# Altium PCB Clock-v1.0.PcbDoc (part 1 of 2) (continued)
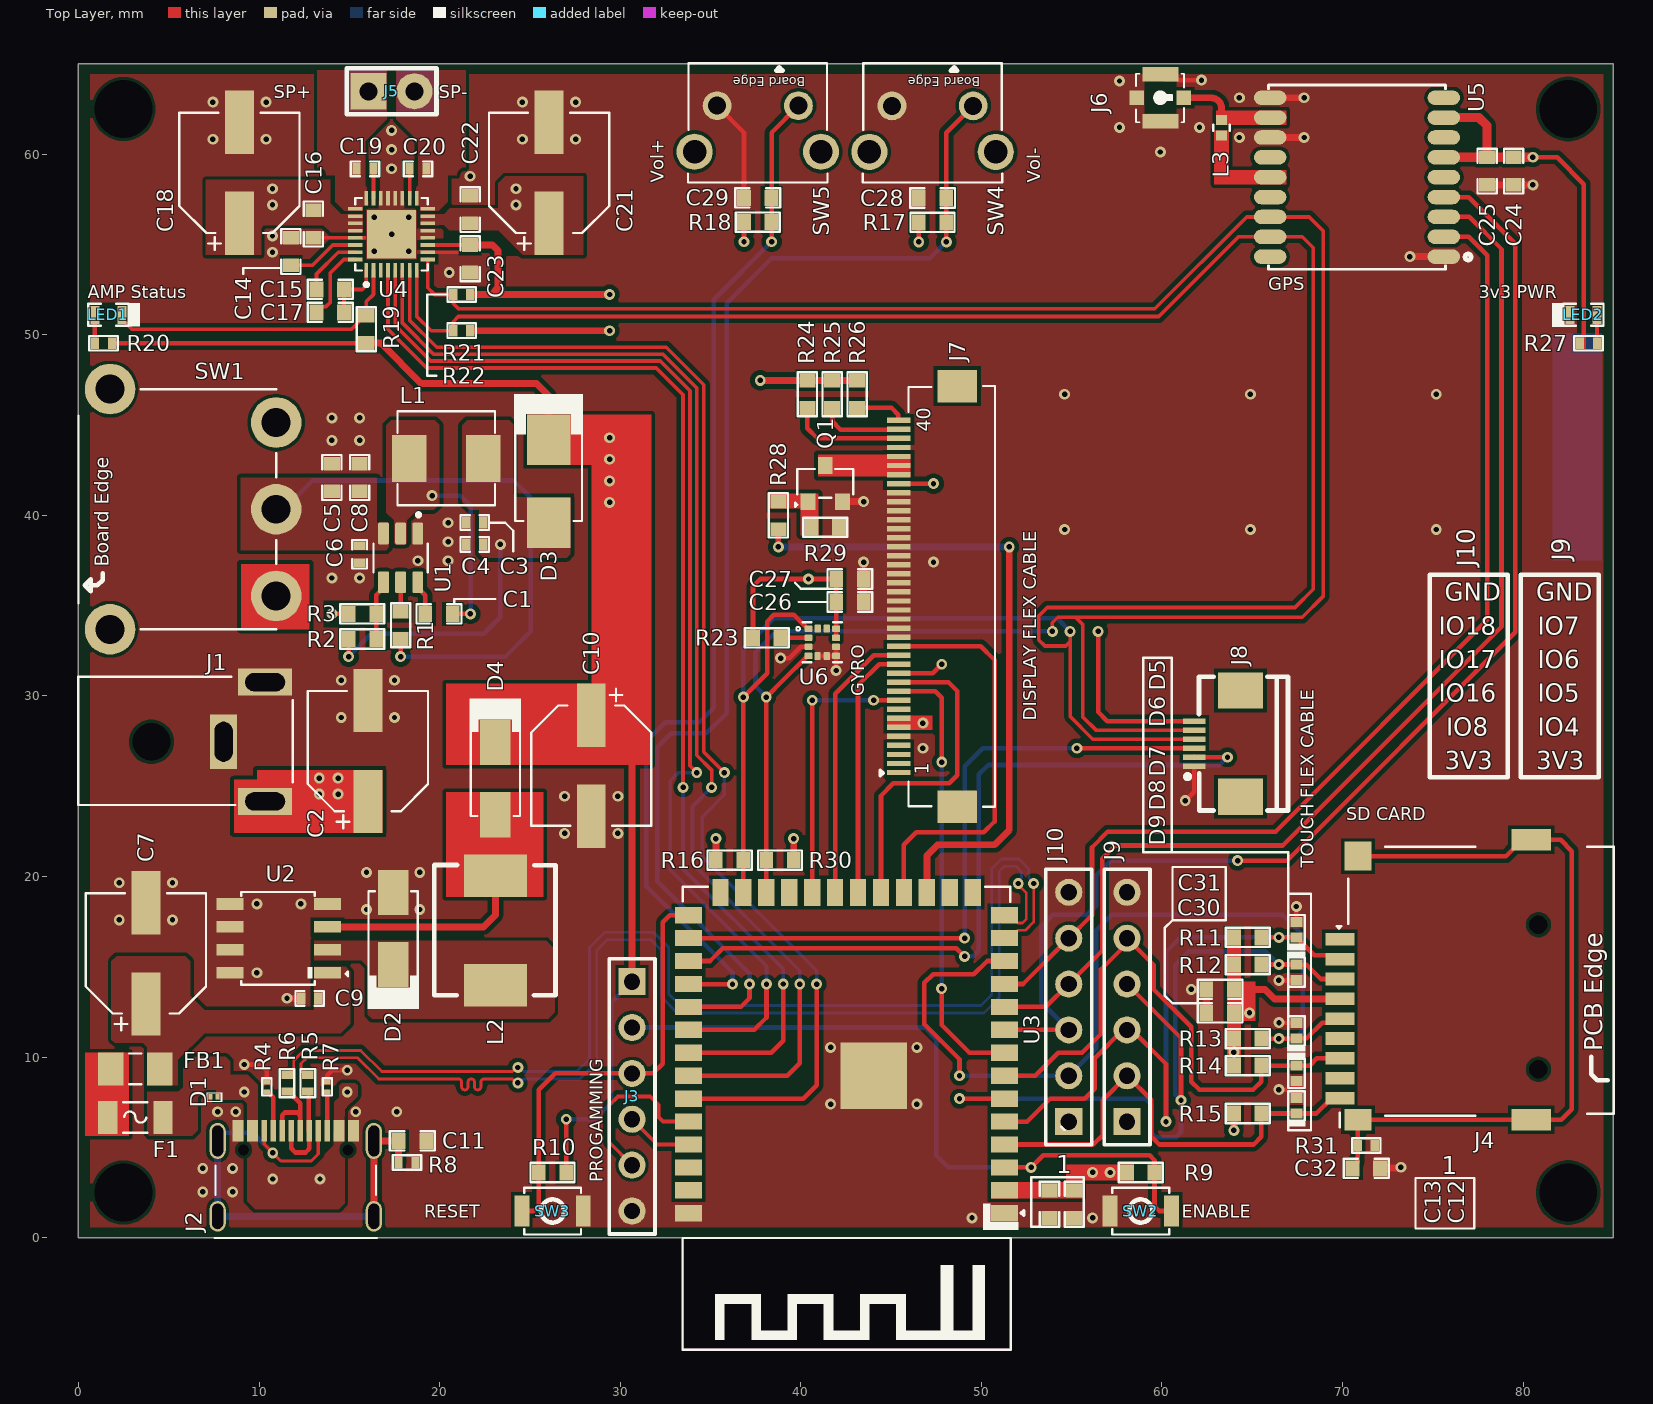
[diagram p0: Top Layer view]
## Part data (continued)
D1: "8.5V 70W 4V 3.3V SOD-962 Electrostatic and Surge Protection (TVS/ESD) ROHS", Manufacturer="Rohm Semiconductor", Package=SOD-962, ComponentLink1Description="LCSC Link", ComponentLink1URL=https://www.lcsc.com/product-detail/Electrostatic-and-Surge-Protection-TVS-ESD_ROHM-Semicon-VS3V3BC1HST15R_C509714.html, Item Type=TVS, LCSC Part Number=VS3V3BC1HST15R, Manufacturer Part Number=VS3V3BC1HST15R
D2 D4: "Schottky Barrier Diode SK36, DO-214AB, 3A/60V", Average Rectified Current=3A, Case/Package=SMC, Forward Voltage=750mV, LCSC Part Number=C16015, Manufacturer="ON Semiconductor / Fairchild", Max Forward Surge Current (Ifsm)=100A, Max Operating Temperature=150°C, Max Repetitive Reverse Voltage (Vrrm)=60V, Max Reverse Current=500uA, Min Operating Temperature=-55°C, Package Quantity=3000, Power Dissipation=2.27W, Supplier Part Number 1=9034425P, Category="Schottky Diodes", ComponentLink1Description=https://datasheet.ciiva.com/4714/ss36-197193-4714610.pdf?src-supplier=Mouser, ComponentLink1URL=https://datasheet.ciiva.com/4714/ss36-197193-4714610.pdf?src-supplier=Mouser, ComponentLink2Description=https://datasheet.ciiva.com/16889/ss36-16889545.pdf?src-supplier=Future+Electronics, ComponentLink2URL=https://datasheet.ciiva.com/16889/ss36-16889545.pdf?src-supplier=Future+Electronics, ComponentLink3Description=https://datasheet.ciiva.com/920/ss34-920433.pdf?src-supplier=Digi-Key, ComponentLink3URL=https://datasheet.ciiva.com/920/ss34-920433.pdf?src-supplier=Digi-Key, ComponentLink4Description=https://datasheet.ciiva.com/920/ss34-920434.pdf?src-supplier=Digi-Key, ComponentLink4URL=https://datasheet.ciiva.com/920/ss34-920434.pdf?src-supplier=Digi-Key, ComponentLink5Description=https://datasheet.ciiva.com/920/ss34-920435.pdf?src-supplier=Digi-Key, ComponentLink5URL=https://datasheet.ciiva.com/920/ss34-920435.pdf?src-supplier=Digi-Key, Current=3A, Current Rating=3A, Element Configuration=Single, Forward Current=3A, Item Type=Diode, Lead Free="Lead Free", Manufacturer Part Number=SS36, Max Reverse Leakage Current=500uA, Max Reverse Voltage (DC)=60V, Max Surge Current=100A, Mount="Surface Mount", Number of Pins=2, Output Current=3A, Packaging="Tape and Reel", Peak Non-Repetitive Surge Current=100A, Polarity=Standard, Pricing 1="100=0.43800, 500=0.34200, 1000=0.27800, 3000=0.25000 (GBP)", Radiation Hardening=No, Reach SVHC Compliant=Yes, RoHS=Yes, RoHS Compliant=Yes, Series=-, Stock 1=100, Supplier 1=Rs, Voltage=60V, Voltage Rating (DC)=60V
D3: library part SS54B-HF, "DIODE SCHOTTKY 5A 40V SMB", LCSC Part Number=C3759253, Manufacturer=Comchip, Supplier Part Number 1=750-SS54B-HF, Manufacturer Part Number=SS54B-HF, Pricing 1="1=0.56000, 10=0.32900, 50=0.32900, 100=0.17100, 1000=0.11900, 10000=0.09000 (USD)", RoHS=No, Stock 1=2862, Supplier 1=Mouser
D5 D6 D7 D8 D9: "DFN1006-2 ESD Protection Devices ROHS", LCSC Part Number=C2875160, Manufacturer="TECH PUBLIC", ComponentLink1Description=LCSC, ComponentLink1URL=https://www.lcsc.com/product-detail/span-style-background-color-ff0-ESD-span-Protection-Devices_TECH-PUBLIC-ESD9X5VU_C2875160.html, Manufacturer Part Number=ESD9X5VU
F1: library part 1206L300SL12AR, "12V 3A 50A 6A 1206 Resettable Fuses ROHS", LCSC Part Number=C18198361, Manufacturer=LUTE, Manufacturer Part Number=Manufacturer, Package=1206, ComponentLink1Description="LCSC Link", ComponentLink1URL=https://www.lcsc.com/product-detail/Resettable-Fuses_LUTE-1206L300SL12AR_C18198361.html, Item Type=FUSE
FB1: library part BLM31PG121SN1L, "FERRITE BEAD 120 OHM 1206 1LN", Case Code (Imperial)=1206, Case Code (Metric)=3216, Current Rating=3.5A, DC Current=3A, DC Resistance (DCR)=20mR, LCSC Part Number=C85841, Manufacturer=Murata, Max Operating Temperature=125°C, Min Operating Temperature=-55°C, Package Quantity=3000, Tolerance=25%, Case/Package=1206, Category="Ferrite Beads and Chips", ComponentLink1Description=https://datasheet.ciiva.com/19460/1845419-19460234.pdf?src-supplier=Jameco, ComponentLink1URL=https://datasheet.ciiva.com/19460/1845419-19460234.pdf?src-supplier=Jameco, ComponentLink2Description=https://datasheet.ciiva.com/1012/l0132s0193blm31p-1012992.pdf?src-supplier=Digi-Key, ComponentLink2URL=https://datasheet.ciiva.com/1012/l0132s0193blm31p-1012992.pdf?src-supplier=Digi-Key, ComponentLink3Description=https://datasheet.ciiva.com/11799/0900766b811b5866-11799444.pdf?src-supplier=RSComponents, ComponentLink3URL=https://datasheet.ciiva.com/11799/0900766b811b5866-11799444.pdf?src-supplier=RSComponents, ComponentLink4Description=https://datasheet.ciiva.com/3081/l0110s0100blm31p-3081665.pdf?src-supplier=Avnet, ComponentLink4URL=https://datasheet.ciiva.com/3081/l0110s0100blm31p-3081665.pdf?src-supplier=Avnet, ComponentLink5Description=https://datasheet.ciiva.com/41449/001172383-da-01-en-drossel-1206-120r-3-2x1-60mm-3000st-41449554.pdf?src-supplier=Conrad, ComponentLink5URL=https://datasheet.ciiva.com/41449/001172383-da-01-en-drossel-1206-120r-3-2x1-60mm-3000st-41449554.pdf?src-supplier=Conrad, ComponentLink6Description=https://datasheet.ciiva.com/29348/442557-da-01-en-chip-drossel-1206-120r-3000ma-3-2x1-60mm-29348014.pdf?src-supplier=Conrad, ComponentLink6URL=https://datasheet.ciiva.com/29348/442557-da-01-en-chip-drossel-1206-120r-3000ma-3-2x1-60mm-29348014.pdf?src-supplier=Conrad, ComponentLink7Description=https://datasheet.ciiva.com/14122/apblm31p-data-e-14122856.pdf?src-supplier=Distrelec, ComponentLink7URL=https://datasheet.ciiva.com/14122/apblm31p-data-e-14122856.pdf?src-supplier=Distrelec, ComponentLink8Description=https://datasheet.ciiva.com/48436/blm31pg121sn1l-eng-tds-48436731.pdf?src-supplier=Distrelec, ComponentLink8URL=https://datasheet.ciiva.com/48436/blm31pg121sn1l-eng-tds-48436731.pdf?src-supplier=Distrelec, ComponentLink9Description=https://datasheet.ciiva.com/1012/l0110s0100blm31p-1012991.pdf?src-supplier=Digi-Key, ComponentLink9URL=https://datasheet.ciiva.com/1012/l0110s0100blm31p-1012991.pdf?src-supplier=Digi-Key, ComponentLink10Description=https://datasheet.ciiva.com/1012/l0110s0100blm31p-1012993.pdf?src-supplier=Digi-Key, ComponentLink10URL=https://datasheet.ciiva.com/1012/l0110s0100blm31p-1012993.pdf?src-supplier=Digi-Key, ComponentLink11Description=https://datasheet.ciiva.com/3081/l0110s0100blm31p-3081666.pdf?src-supplier=Avnet, ComponentLink11URL=https://datasheet.ciiva.com/3081/l0110s0100blm31p-3081666.pdf?src-supplier=Avnet, ComponentLink12Description=https://datasheet.ciiva.com/16390/l0110s0100blm31p-16390857.pdf?src-supplier=Future+Electronics, ComponentLink12URL=https://datasheet.ciiva.com/16390/l0110s0100blm31p-16390857.pdf?src-supplier=Future+Electronics, ComponentLink13Description=https://datasheet.ciiva.com/18093/getdatasheetpartid-152966-18093084.pdf?src-supplier=Verical, ComponentLink13URL=https://datasheet.ciiva.com/18093/getdatasheetpartid-152966-18093084.pdf?src-supplier=Verical, Contact Plating=Tin,Matte, Core Material=Ferrite, Depth=1.6mm, Frequency=100MHz, Height=1.1mm, Impedance=120R, Item Type="Ferrite Bead", Lead Free="Lead Free", Length=3.2mm, Manufacturer Part Number=BLM31PG121SN1L, Material=Steel,Ferrite, Max Current Rating=3.5A, Max DC Current=3A, Military Standard=Not, Number of Lines=1, Number of Pins=2, Packaging="Tape and Reel", Pricing 1="3000=0.11563, 6000=0.10938, 12000=0.10313, 18000=0.09688, 24000=0.09063, 30000=0.08438, 300000=0.07813 (USD)", Radiation Hardening=No, RoHS=Yes, RoHS Compliant=Yes, Shielding=Unshielded, Stock 1=290640, Supplier 1=Avnet, Supplier Part Number 1=BLM31PG121SN1L, Termination=SMD/SMT, Test Frequency=100MHz, Width=1.6mm
J1: "DC Power Receptacle 260℃ Brass -20℃~+70℃ 2.5mm 6mm 2.5A 24V Plugin AC/DC Power Connectors ROHS", LCSC Part Number=C319122, Manufacturer="XKB Connectivity", Package=Plugin, ComponentLink1Description=LCSC, ComponentLink1URL=https://www.lcsc.com/product-detail/AC-DC-Power-Connectors_XKB-Connectivity-DC-0360-2-5_C319122.html, Item Type="DC Jack", Manufacturer Part Number=DC-0360-2.5
J2: "250mA 1 16 Female Type-C SMD USB Connectors ROHS", LCSC Part Number=C165948, Manufacturer="Korean Hroparts Elec", ComponentLink1Description=LCSC, ComponentLink1URL=https://www.lcsc.com/product-detail/USB-Connectors_Korean-Hroparts-Elec-TYPE-C-31-M-12_C165948.html, Item Type="USB Connector", Manufacturer Part Number=TYPE-C-31-M-12
J3 J9 J10: "Straight 1 6 2.54mm Black Brass Plugin,P=2.54mm Pin Headers ROHS", Manufacturer=BOOMELEC, Package=Custom, ComponentLink1Description="New link", ComponentLink1URL=https://www.lcsc.com/product-detail/Pin-Headers_BOOMELE-Boom-Precision-Elec-C37208_C37208.html, Item Type=Header, LCSC Part Number=C37208, Manufacturer Part Number=C37208
J4: "-40℃~+90℃ 1.85mm Gold plating Deck MicroSD card (TF card) High Conductivity Copper Self bomb SMD SD Card Connectors ROHS", LCSC Part Number=C5155564, Manufacturer=G-Switch, Package=SMD, ComponentLink1Description=LCSC, ComponentLink1URL=https://www.lcsc.com/product-detail/SD-Card-Connectors_G-Switch-GT-TF003-H0185-02_C5155564.html, Item Type="MicroSD card", Manufacturer Part Number=GT-TF003-H0185-02
J5: "Wire Connecting Pad", Item Type="THrough Hole Pads", Manufacturer Part Number="2P THrough Hole Pads"
J6: library part IPEX-0001, "The M.2 industry standard,support up to 12 GHz", LCSC Part Number=C2987682, Manufacturer=I-PEX, Package=None, Availability=Unavailable, ComponentLink1Description="LCSC Link", ComponentLink1URL=https://www.lcsc.com/product-detail/RF-Connectors-Coaxial-Connectors_ZIISOR-IPEX-1_C2987682.html, Item Type=Antenna, Manufacturer Part Number=20579-001E, Price=None, SnapEDA_Link=https://www.snapeda.com/parts/20579-001E/I-PEX/view-part/4300957/?ref=snap
J7: "CONN FFC BOTTOM 40POS 0.50MM R/A", Contact Resistance=50mR, Dielectric Withstanding Voltage (AC)=150V, Flammability Rating="UL94 V-0", Insulation Color=Beige, Insulation Resistance=500MR, LCSC Part Number=C202114, Manufacturer=Hirose, Max Operating Temperature=70°C, Min Operating Temperature=-40°C, Rated Current (Signal)=400mA, Supplier Part Number 1=26-FH12-40S-0.5SH(55)CT-ND, Body Breadth=0.079inch, Body Depth=0.22inch, Body Length=0.949inch, Category="FFC / FPC", ComponentLink1Description=https://datasheet.ciiva.com:443/pdfs/VipMasterIC/IC/HIRO/HIRO-S-A0003089604/HIRO-S-A0008599618-1.pdf?src-supplier=IHS+Markit, ComponentLink1URL=https://datasheet.ciiva.com:443/pdfs/VipMasterIC/IC/HIRO/HIRO-S-A0003089604/HIRO-S-A0008599618-1.pdf?src-supplier=IHS+Markit, ComponentLink2Description=https://datasheet.ciiva.com/11745/0900766b80d985fc-11745617.pdf?src-supplier=RSComponents, ComponentLink2URL=https://datasheet.ciiva.com/11745/0900766b80d985fc-11745617.pdf?src-supplier=RSComponents, ComponentLink3Description=https://datasheet.ciiva.com/15176/getdatasheetpartid-432539-15176843.pdf?src-supplier=Verical, ComponentLink3URL=https://datasheet.ciiva.com/15176/getdatasheetpartid-432539-15176843.pdf?src-supplier=Verical, ComponentLink4Description=https://datasheet.ciiva.com/7661/58803-7661389.pdf?src-supplier=Element14, ComponentLink4URL=https://datasheet.ciiva.com/7661/58803-7661389.pdf?src-supplier=Element14, Connector Type="CARD EDGE CONNECTOR", Contact Finish - Mating="NOT SPECIFIED", Contact Finish - Termination="Nickel/Gold (Ni/Au)", Contact Gender=Female, Contact Pattern=RECTANGULAR, Contact Style="BELLOWED TYPE", DIN Conformance=No, Durability=20Cycles, Filter Feature=No, IEC Conformance=No, Insulation Material=Polyamide, Item Type=Connector, JESD-609 Code=e4, Manufacturer Part Number=FH12-40S-0.5SH(55), Mating Contact Pitch=0.02inch, MIL Conformance=No, Mixed Contacts=No, Mounting Option 1="EJECT LEVER", Mounting Option 2=LOCKING, Mounting Style="RIGHT ANGLE", Mounting Technology=Board, Number of Contacts=40, Number Of PCB Rows=1, Number of Rows Loaded=1, Option="General Purpose", PCB Contact Pattern=RECTANGULAR, Pricing 1="1=3.00000, 10=2.72800, 25=2.58400, 50=2.52400, 100=2.40380, 250=2.10332, 500=2.04324, 1000=1.74276 (USD)", Reach SVHC Compliant=Yes, Reference Standard=UL, Reliability=COMMERCIAL, RoHS=Yes, RoHS Compliant=Yes, Stock 1=11247, Supplier 1=Digi-Key, Terminal Pitch=0.5mm, Termination=SMD/SMT
J8: "Clamshell -25℃~+85℃ 6P Bottom Contact Surface Mount，Right Angle 0.5mm SMD,P=0.5mm,Surface Mount，Right Angle FFC/FPC Connectors ROHS", LCSC Part Number=C2856796, Manufacturer=XUNPU, Package=SMD,P=0.5mm, ComponentLink1Description="LCSC Link", ComponentLink1URL=https://www.lcsc.com/product-detail/FFC-FPC-Connectors_XUNPU-FPC-05F-6PH20_C2856796.html, Item Type=FPC, Manufacturer Part Number=FPC-05F-6PH20
L1: library part FXL0530-3R3-M, "5.5A 3.3uH Molding Choke ±20% 6A SMD,5.2x5.4mm Power Inductors ROHS", LCSC Part Number=C475518, Manufacturer="cjiang (Changjiang Microelectronics Tech)", Package=SMD,5.2x5.4mm, ComponentLink1Description="LCSC Link", ComponentLink1URL=https://www.lcsc.com/product-detail/Power-Inductors_cjiang-Changjiang-Microelectronics-Tech-FXL0530-3R3-M_C475518.html, Item Type=inductor, Manufacturer Part Number=FXL0530-3R3-M
L2: library part SMMS0650-470M, "2A 47uH Molding Choke ±20% 2.8A SMD,6.6x7.1mm Power Inductors ROHS", LCSC Part Number=C149588, Manufacturer="SXN(Shun Xiang Nuo Elec)", Package=SMD,6.6x7.1mm, ComponentLink1Description="LCSC Link", ComponentLink1URL=https://www.lcsc.com/product-detail/Power-Inductors_SXN-Shun-Xiang-Nuo-Elec-SMMS0650-470M_C149588.html, Item Type=Inductor, Manufacturer Part Number=SMMS0650-470M
L3: library part LQG15HS47NJ02D, "Inductor RF Chip Unshielded Multi-Layer 47nH 5% 100MHz 8Q-Factor Ceramic 200mA 720mOhm DCR 0402 T/R", LCSC Part Number=C97998, Manufacturer="Murata Electronics", Package=0402, ComponentLink1Description=LCSC, ComponentLink1URL=https://www.lcsc.com/product-detail/Inductors-SMD_Murata-Electronics-LQG15HS47NJ02D_C97998.html, Item Type=Inductor, Manufacturer Part Number=LQG15HS47NJ02D
LED1: library part NCD0603R3, "RED LED 0603 Light Emitting Diodes", LCSC Part Number=C3151730, Manufacturer="Foshan NationStar Optoelectronics", Package=0603, ComponentLink1Description=LCSC, ComponentLink1URL=https://www.lcsc.com/product-detail/Light-Emitting-Diodes-LED_Foshan-NationStar-Optoelectronics-NCD0603R3_C3151730.html, Item Type=LED, Manufacturer Part Number=NCD0603R3
LED2: library part NCD0603B3, "blue 0603 Light Emitting Diodes (LED) ROHS", LCSC Part Number=C158101, Manufacturer="Foshan NationStar Optoelectronics", Package=0603, ComponentLink1Description=LCSC, ComponentLink1URL=https://www.lcsc.com/product-detail/Light-Emitting-Diodes-LED_Foshan-NationStar-Optoelectronics-NCD0603B3_C158101.html, Item Type=LED, Manufacturer Part Number=NCD0603B3
Q1: "SOT-23 MOSFETs ROHS", LCSC Part Number=C5123904, Manufacturer="TECH PUBLIC", Package=SOT-23, ComponentLink1Description=LCSC, ComponentLink1URL=https://www.lcsc.com/product-detail/MOSFETs_TECH-PUBLIC-FDN335N_C5123904.html, Item Type=Mosfet, Manufacturer Part Number=FDN335N
R1 R3 R9 R10 R16 R17 R18 R19 R23 R24 R25 R26 R29 R30: library part RT0603BRD0710KL, "RES SMD 10K OHM 0.1% 1/10W 0603", Case/Package=0603, LCSC Part Number=C95204, Manufacturer=Yageo, Max Operating Temperature=155°C, Min Operating Temperature=-55°C, Package Height=0.45mm, Package Length=1.6mm, Package Style=SMTMeter, Package Width=0.8mm, Power=100mW, Rated Temperature=70°C, Resistor Type="FIXED RESISTOR", Supplier Part Number 1=1991391P, Temperature Coefficient=25ppm/°C, Tolerance=0.1%, Working Voltage=75V, Category="Chip SMD Resistors", ComponentLink1Description=https://datasheet.ciiva.com:443/pdfs/VipMasterIC/IC/YAGO/YAGO-S-A0008510989/YAGO-S-A0008510989-1.pdf?src-supplier=IHS+Markit, ComponentLink1URL=https://datasheet.ciiva.com:443/pdfs/VipMasterIC/IC/YAGO/YAGO-S-A0008510989/YAGO-S-A0008510989-1.pdf?src-supplier=IHS+Markit, ComponentLink2Description=https://datasheet.ciiva.com/5624/pyu-rt-1-to-0-05-rohs-l-4-5624351.pdf?src-supplier=Mouser, ComponentLink2URL=https://datasheet.ciiva.com/5624/pyu-rt-1-to-0-05-rohs-l-4-5624351.pdf?src-supplier=Mouser, ComponentLink3Description=https://datasheet.ciiva.com/29721/pyu-rt-1-to-0-05-rohs-l-4-29721177.pdf?src-supplier=Digi-Key, ComponentLink3URL=https://datasheet.ciiva.com/29721/pyu-rt-1-to-0-05-rohs-l-4-29721177.pdf?src-supplier=Digi-Key, Construction=Chip, Item Type=Resistor, Manufacturer Part Number=RT0603BRD0710KL, Mounting Technology="Surface Mount", Packaging="Tape and Reel", Pins=2, Pricing 1="100=0.29800, 250=0.27800, 500=0.25900, 1000=0.23700 (GBP)", Reach SVHC Compliant=Yes, RoHS=Yes, RoHS Compliant=Yes, Stock 1=20510, Supplier 1=Rs, Technology="THIN FILM", Termination=Wraparound
R2: library part RC0603FR-0733K2L, "RES 33.2K OHM 1% 1/10W 0603", Case Code (Imperial)=0603, Case Code (Metric)=1608, LCSC Part Number=C185338, Manufacturer=Yageo, Max Operating Temperature=155°C, Max Power Dissipation=100mW, Min Operating Temperature=-55°C, Resistance=33.2kR, Resistor Type="Thick Film", Supplier Part Number 1=311-33.2KHRCT-ND, Temperature Coefficient=100ppm/°C, Tolerance=1%, Voltage Rating=50V, Case/Package=0603, Category="Chip SMD Resistors", ComponentLink1Description=https://datasheet.ciiva.com/11808/0900766b80f96399-11808316.pdf?src-supplier=RSComponents, ComponentLink1URL=https://datasheet.ciiva.com/11808/0900766b80f96399-11808316.pdf?src-supplier=RSComponents, Construction=Rectangular, Depth=0.8mm, Features="Moisture Resistant", Height=0.45mm, Lead Free="Lead Free", Length=1.6mm, Manufacturer Part Number=RC0603FR-0733K2L, Military Standard=Not, Mount="Surface Mount", Number of Terminations=2, Packaging="Tape and Reel", Power Rating=100mW, Pricing 1="1=0.10000, 10=0.02300, 100=0.00930, 1000=0.00417, 2500=0.00362 (USD)", RoHS=Yes, RoHS Compliant=Yes, Series=RC, Size Code=0603, Stock 1=1293262, Supplier 1=Digi-Key, Technology="THICK FILM", Termination=SMD/SMT, Voltage Rating (DC)=50V
R4 R5: library part RC0402FR-070RL, "RES 0 OHM JUMPER 1/16W 0402", Case Code (Imperial)=0402, Case Code (Metric)=1005, LCSC Part Number=C106231, Manufacturer=Yageo, Max Operating Temperature=155°C, Max Power Dissipation=63mW, Min Operating Temperature=-55°C, Power Rating=62.5mW, Resistor Type="Thick Film", Supplier Part Number 1=603-RC0402FR-070RL, Temperature Coefficient=200ppm/°C, Tolerance=1%, Voltage Rating=50V, Case/Package=0402, Category="Chip SMD Resistors", ComponentLink1Description=https://datasheet.ciiva.com/8896/pyu-rc0402-51-rohs-l-6-8896149.pdf?src-supplier=Avnet, ComponentLink1URL=https://datasheet.ciiva.com/8896/pyu-rc0402-51-rohs-l-6-8896149.pdf?src-supplier=Avnet, ComponentLink2Description=https://datasheet.ciiva.com/16790/pyu-rc0402-51-rohs-l-6-r-16790444.pdf?src-supplier=Future+Electronics, ComponentLink2URL=https://datasheet.ciiva.com/16790/pyu-rc0402-51-rohs-l-6-r-16790444.pdf?src-supplier=Future+Electronics, Contact Plating=Tin,Matte, Features="Moisture Resistant", Height=0.35mm, Lead Free="Lead Free", Length=1mm, Manufacturer Part Number=RC0402FR-070RL, Mount="Surface Mount", Number of Terminations=2, Packaging="Tape and Reel", Pricing 1="1=0.10000, 10=0.01400, 50=0.01400, 100=0.00600, 1000=0.00300, 5000=0.00200, 10000=0.00100 (USD)", Radiation Hardening=No, Resistance=0R, RoHS=Yes, RoHS Compliant=Yes, Series=RC, Size Code=0402, Stock 1=8556842, Supplier 1=Mouser, Termination=SMD/SMT, Width=0.5mm
R6 R7: library part RC0201FR-075K1L, "RES 5.1K OHM 1% 1/20W 0201", Case Code (Imperial)=0201, Case Code (Metric)=0603, LCSC Part Number=C274341, Manufacturer=Yageo, Max Operating Temperature=125°C, Max Power Dissipation=50mW, Min Operating Temperature=-55°C, Supplier Part Number=9072847, Temperature Coefficient=200ppm/°C, Tolerance=1%, Voltage Rating=25V, Case/Package=0201, Category="Chip SMD Resistors", ComponentLink1Description=http://www.mouser.com/ds/2/447/RC0201-559633.pdf?src-supplier=Mouser, ComponentLink1URL=http://www.mouser.com/ds/2/447/RC0201-559633.pdf?src-supplier=Mouser, ComponentLink2Description=https://datasheet.octopart.com/RC0201FR-075K1L-Yageo-datasheet-164759695.pdf?src-supplier=Future+Electronics, ComponentLink2URL=https://datasheet.octopart.com/RC0201FR-075K1L-Yageo-datasheet-164759695.pdf?src-supplier=Future+Electronics, ComponentLink3Description=http://www.yageo.com/documents/recent/PYu-RC_Group_51_RoHS_L_10.pdf?src-supplier=Digi-Key, ComponentLink3URL=http://www.yageo.com/documents/recent/PYu-RC_Group_51_RoHS_L_10.pdf?src-supplier=Digi-Key, Features="Moisture Resistant", Height=0.23mm, Item Type=Resistor, Lead Free="Lead Free", Length=0.6mm, Manufacturer Part Number=RC0201FR-075K1L, Number of Terminations=2, Packaging="Tape and Reel", Power Rating=50mW, Pricing="10000=0.0014, 40000=0.0013, 200000=0.0013, 400000=0.0012, 1250000=0.0011 (USD)", RoHS=Yes, RoHS Compliant=Yes, Series=RC, Stock=280000, Supplier="Future Electronics", Termination=SMD/SMT, Width=0.3mm
R8 R31: library part AF0402JR-071ML, "RES SMD 1M OHM 5% 1/16W 0402", Case/Package=0402, LCSC Part Number=C144054, Manufacturer=Yageo, Max Operating Temperature=155°C, Max Power Dissipation=63mW, Min Operating Temperature=-55°C, Resistance=1MR, Resistor Type="Thick Film", Supplier Part Number 1=AF0402JR-071ML-ND, Temperature Coefficient=100ppm/°C, Tolerance=5%, ComponentLink1Description=https://www.yageo.com/upload/media/product/productsearch/datasheet/rchip/PYu-AF_51_RoHS_L_6.pdf?src-supplier=Digi-Key, ComponentLink1URL=https://www.yageo.com/upload/media/product/productsearch/datasheet/rchip/PYu-AF_51_RoHS_L_6.pdf?src-supplier=Digi-Key, Features="Moisture Resistant,Anti-Sulfur", Height=0.015inch, Item Type=Resistor, Length=0.039inch, Manufacturer Part Number=AF0402JR-071ML, Number of Terminations=2, Packaging="Tape and Reel", Pricing 1="10000=0.00408 (USD)", RoHS Compliant=Yes, Stock 1=0, Supplier 1=Digi-Key, Width=0.02inch
R11 R12 R13 R14 R15 R28: library part 0603WAF3301T5E, "100mW Thick Film Resistors 75V ±100ppm/℃ ±1% 3.3kΩ 0603 Chip Resistor - Surface Mount ROHS", LCSC Part Number=C22978, Manufacturer="UNI-ROYAL(Uniroyal Elec)", Package=0603, ComponentLink1Description="LSCS Link", ComponentLink1URL=https://www.lcsc.com/product-detail/Chip-Resistor-Surface-Mount_UNI-ROYAL-Uniroyal-Elec-0603WAF3301T5E_C22978.html, Item Type=Resistor, Manufacturer Part Number=0603WAF3301T5E
R20 R27: library part FRC0402F2000TS, "62.5mW Thick Film Resistors 50V ±100ppm/℃ ±1% 200Ω 0402 Chip Resistor - Surface Mount ROHS", LCSC Part Number=C2909333, Manufacturer=FOJAN, Package=0402, ComponentLink1Description="LCSC Link", ComponentLink1URL=https://www.lcsc.com/product-detail/Chip-Resistor-Surface-Mount_FOJAN-FRC0402F2000TS_C2909333.html, Item Type=Resistor, Manufacturer Part Number=FRC0402F2000TS
R21 R22: library part 0402WGF2401TCE, "62.5mW Thick Film Resistors 50V ±100ppm/℃ ±1% 2.4kΩ 0402 Chip Resistor - Surface Mount ROHS", LCSC Part Number=C25882, Manufacturer="UNI ROYAL", Package=0402, ComponentLink1Description="LCSC Link", ComponentLink1URL=https://www.lcsc.com/product-detail/Chip-Resistor-Surface-Mount_UNI-ROYAL-Uniroyal-Elec-0402WGF2401TCE_C25882.html, Item Type=Resistor, Manufacturer Part Number=0402WGF2401TCE
SW1: library part SS-12D11L5, "Lying 3A SPDT 125V 6.3mm 13.5mm 125V 6.6mm 3A PCPin 10000 Rectangular columnar -40℃~+85℃ Black Plugin Slide Switches ROHS", LCSC Part Number=C319010, Manufacturer="XKB Connectivity", Package=Plugin, ComponentLink1Description="LCSC Part Number", ComponentLink1URL=https://www.lcsc.com/product-detail/Slide-Switches_XKB-Connectivity-SS-12D11L5_C319010.html, Item Type=Switch, Manufacturer Part Number=SS-12D11L5
SW2 SW3: "SWITCH TACTILE SPST-NO 0.05A 12V", Contact Current Rating=50mA, Contact Resistance=100mR, Insulation Resistance=100MR, LCSC Part Number=C231329, Manufacturer=Omron, Max Operating Temperature=70°C, Max Voltage Rating (DC)=12V, Min Operating Temperature=-25°C, Operating Force=1.5N, Package Quantity=1, Ratings="Dust Proof,IP40", Supplier Part Number 1=SW1020DKR-ND, Actuator Length=0.4mm, Actuator Type=Standard, ComponentLink1Description=http://www.farnell.com/datasheets/60838.pdf?src-supplier=Farnell, ComponentLink1URL=http://www.farnell.com/datasheets/60838.pdf?src-supplier=Farnell, ComponentLink2Description=http://www.farnell.com/datasheets/60838.pdf?src-supplier=Element14, ComponentLink2URL=http://www.farnell.com/datasheets/60838.pdf?src-supplier=Element14, ComponentLink3Description=https://omronfs.omron.com/en_US/ecb/products/pdf/en-b3u.pdf?src-supplier=Digi-Key, ComponentLink3URL=https://omronfs.omron.com/en_US/ecb/products/pdf/en-b3u.pdf?src-supplier=Digi-Key, ComponentLink4Description=http://www.omron.com/ecb/products/pdf/en-b3u.pdf?src-supplier=Digi-Key, ComponentLink4URL=http://www.omron.com/ecb/products/pdf/en-b3u.pdf?src-supplier=Digi-Key, ComponentLink5Description=https://www.distrelec.biz/Web/Downloads/he/et/B3U_eng_datasheet.pdf?mime=application%2Fpdf&src-supplier=Distrelec, ComponentLink5URL=https://www.distrelec.biz/Web/Downloads/he/et/B3U_eng_datasheet.pdf?mime=application%2Fpdf&src-supplier=Distrelec, ComponentLink6Description=http://www.onlinecomponents.com/productFiles/mf-OM/en-b3u.pdf?src-supplier=Onlinecomponents.com, ComponentLink6URL=http://www.onlinecomponents.com/productFiles/mf-OM/en-b3u.pdf?src-supplier=Onlinecomponents.com, ComponentLink7Description=https://www.verical.com/server-webapp/html/getDatasheet?partID=552554&src-supplier=Verical, ComponentLink7URL=https://www.verical.com/server-webapp/html/getDatasheet?partID=552554&src-supplier=Verical, ComponentLink8Description=http://www.farnell.com/datasheets/1685550.pdf?src-supplier=Element14, ComponentLink8URL=http://www.farnell.com/datasheets/1685550.pdf?src-supplier=Element14, ComponentLink9Description=http://www.farnell.com/datasheets/2610940.pdf?src-supplier=Farnell, ComponentLink9URL=http://www.farnell.com/datasheets/2610940.pdf?src-supplier=Farnell, ComponentLink10Description=https://www.alliedelec.com/m/d/4c8a9ef82804fc3c241a13c1e298fd73.pdf?src-supplier=Allied+Electronics, ComponentLink10URL=https://www.alliedelec.com/m/d/4c8a9ef82804fc3c241a13c1e298fd73.pdf?src-supplier=Allied+Electronics, Contact Material=Silver, Current Rating=50mA, Depth=2.5mm, Electrical Life=200000Cycles, Height=1.2mm, Illumination Type=Non-Illuminated,Illuminated, Item Type=Switch, Lead Free="Lead Free", Length=4mm, Manufacturer Part Number=B3U-1000P, Max Current Rating=50mA, Mechanical Life=200000Cycles, Mount="Surface Mount", Orientation=Straight, Packaging="Tape and Reel", Pricing 1="1=1, 10=0.961, 25=0.9064, 50=0.7976, 100=0.7251, 250=0.68888, 500=0.67074, 1000=0.52571 (USD)", REACH SVHC=Unknown, Stock 1=116454, Supplier 1=Digi-Key, Switch Function=Off-Mom, Switch Travel=0.15mm, Termination=SMD/SMT, Throw Configuration=SPST, Voltage Rating (DC)=12V, Weight=0.000776oz, Width=3mm
SW4 SW5: library part "PTS645VK83-2 LFS", "SWITCH TACTILE SPST-NO 0.05A 12V", Color=Black, Current Rating=50mA, LCSC Part Number=C2798927, Manufacturer="ITT C&K", Manufacturer Part Number=PTS645VK83-2LFS, Max Operating Temperature=60°C, Min Operating Temperature=-20°C, Operating Force=260gf, Package Quantity=1000, Supplier Part Number 1=611-PTS645VK832, Voltage Rating (DC)=12V, Actuator Material=Nylon,Polyamide,PA66, Actuator Type=Standard, Category="Tactile Switches", ComponentLink1Description=http://components.arrow.com/part/dataview/58497163S587771N9444?src-supplier=Arrow+Electronics, ComponentLink1URL=http://components.arrow.com/part/dataview/58497163S587771N9444?src-supplier=Arrow+Electronics, Contact Plating=Silver, Depth=12.3mm, Illumination Type=Non-Illuminated, Lead Free="Lead Free", Length=8.5mm, Max Current Rating=50mA, Mechanical Life=100000Cycles, Mount="Through Hole", Orientation="Right Angle", Packaging=Bulk, Pricing 1="1=0.29000, 10=0.27900, 50=0.27400, 100=0.25800, 1000=0.17200, 10000=0.16500 (USD)", RoHS=Yes, RoHS Compliant=Yes, Series=PTS645, Stock 1=15223, Supplier 1=Mouser, Switch Function=Off-Mom, Termination="PC Pin", Throw Configuration=SPST
U1: "4.5V to 17V, 5A, Synchronous Step-Down Voltage Regulator in SOT23 6-SOT-23-THIN -40 to 125", LCSC Part Number=C327676, Manufacturer="Texas Instruments", Package="SOT-23-THN-6 Texas Instruments", Availability=Warning, ComponentLink1Description="LCSC Link", ComponentLink1URL=https://www.lcsc.com/product-detail/DC-DC-Converters_Texas-Instruments-TPS565201DDCR_C327676.html, DigiKey-Purchase-URL=https://snapeda.com/shop?store=DigiKey&id=2751914, Item Type=Buck, Manufacturer Part Number=TPS565201DDCR, Mouser-Purchase-URL=https://snapeda.com/shop?store=Mouser&id=2751914, Price=None, SnapEDA_Link=https://www.snapeda.com/parts/TPS565201DDCR/Texas%20Instruments/view-part/2751914/?ref=snap, Texas_Instruments-Purchase-URL=https://snapeda.com/shop?store=Texas+Instruments&id=2751914
U2: "IC REG BUCK 3.3V 2A 8SOP", LCSC Part Number=C151823, Manufacturer=Diodes, Supplier Part Number=AP1509-33SGDICT-ND, Category="Voltage Regulators - Switching", ComponentLink1Description=https://datasheet.ciiva.com/2024/ap1509-2024112.pdf?src-supplier=Digi-Key, ComponentLink1URL=https://datasheet.ciiva.com/2024/ap1509-2024112.pdf?src-supplier=Digi-Key, ComponentLink2Description=https://datasheet.ciiva.com/22696/608784-22696879.pdf?src-supplier=Element14, ComponentLink2URL=https://datasheet.ciiva.com/22696/608784-22696879.pdf?src-supplier=Element14, ComponentLink3Description=https://datasheet.ciiva.com/3220/ap1509-3220415.pdf?src-supplier=Avnet, ComponentLink3URL=https://datasheet.ciiva.com/3220/ap1509-3220415.pdf?src-supplier=Avnet, ComponentLink4Description=https://datasheet.ciiva.com/3222/ap1509-3222047.pdf?src-supplier=Avnet, ComponentLink4URL=https://datasheet.ciiva.com/3222/ap1509-3222047.pdf?src-supplier=Avnet, ComponentLink5Description=https://datasheet.ciiva.com/1161/608784-1161659.pdf?src-supplier=Element14, ComponentLink5URL=https://datasheet.ciiva.com/1161/608784-1161659.pdf?src-supplier=Element14, Item Type=IC, Manufacturer Part Number=AP1509-33SG-13, Pricing="1=1.6, 10=1.43, 25=1.3576, 100=1.115, 250=1.04232, 500=0.92112, 1000=0.7272 (USD)", RoHS=Yes, Stock=7160, Supplier=Digi-Key
U3: "ESP32-S3 chip 2.4GHz SMD,18x25.5mm WiFi Modules ROHS", LCSC Part Number=C2913198, Manufacturer="Expressif System", Manufacturer Part Number=ESP32-S3-WROOM-1-N8, Package=SMD,18x25.5mm, ComponentLink1Description=LCSC, ComponentLink1URL=https://www.lcsc.com/product-detail/WiFi-Modules_Espressif-Systems-ESP32-S3-WROOM-1-N8_C2913198.html, Item Type=IC
U4: "20Wx1@4Ω VQFN-32(4x4) Audio Power OpAmps ROHS", LCSC Part Number=C5214961, Manufacturer="Texas Instruments", Package=VQFN-32(4x4), ComponentLink1Description="LCSC Link", ComponentLink1URL=https://www.lcsc.com/product-detail/Audio-Power-OpAmps_Texas-Instruments-TAS5720MRSMR_C5214961.html, Item Type="Audio Amp", Manufacturer Part Number=TAS5720MRSMR
U5: "SMD,9.7x10.1mm Satellite Positioning Modules ROHS", LCSC Part Number=C90770, Manufacturer=ZHONGKEWEI, Package=SMD,9.7x10.1mm, ComponentLink1Description="LCSC Link", ComponentLink1URL=https://www.lcsc.com/product-detail/Satellite-Positioning-Modules_ZHONGKEWEI-ATGM336H-5N31_C90770.html, Item Type=GPS, Manufacturer Part Number=ATGM336H-5N31
U6: "Accelerometer X, Y, Z Axis Â±2g, 4g, 8g, 16g 0.5Hz ~ 672Hz 12-LGA (2x2)", LCSC Part Number=C110926, Manufacturer=STMicroelectronics, Package="LGA-12 STMicroelectronics", Availability="In Stock", Check_prices=https://www.snapeda.com/parts/LIS2DH12TR/STMicroelectronics/view-part/?ref=eda, ComponentLink1Description="LCSC Link", ComponentLink1URL=https://www.lcsc.com/product-detail/Attitude-Sensor-Gyroscope_STMicroelectronics-LIS2DH12TR_C110926.html, Item Type=Gyro, Manufacturer Part Number=LIS2DH12TR, Price=None, Purchase-URL=https://pricing.snapeda.com/search/part/LIS2DH12TR/?ref=eda, SnapEDA_Link=https://www.snapeda.com/parts/LIS2DH12TR/STMicroelectronics/view-part/?ref=snap

## Free pads (board coordinates)
  rect 0x0 hole 3.2 unplated: MH(2.5,2.5) MH(2.5,62.5) MH(82.5,2.5) MH(82.5,62.5)

## Via types
v1: diameter 0.6, hole 0.3, Top Layer to Bottom Layer, 177 vias

## Nets (pads, with @x,y where several pads share a name; then routed paths per layer and width w, separated by ;. In a path a pad name is that pad's centre, name@x,y a point inside that pad or via, vN(x,y) a via of type N, cw(c..) or ccw(c..) an arc to the next point about the centre after c; other vN are vias at no path point)
+3V3: C10.1 C12.2 C13.2 C23.2 C24.2 C25.2 C26.1 C27.1 C30.2 C31.2 D3.2 D4.1 J3.1 J4.4 J7.6 J7.7 J7.12 J7.33 J8.6 J9.1 J10.1 R9.2 R10.2 R11.1 R12.1 R13.1 R14.1 R15.1 R16.1 R17.2 R18.2 R19.1 R20.1 R21.1 R22.1 R23.2 R24.2 R25.2 R26.2 R27.2 R30.1 U3.2 U4.11 U5.6 U5.8 U6.9 U6.10 | length 142.6
  Top Layer w0.203: U4.11@19.339,54.97 C23.2@21.692,54.97
  Top Layer w0.254: R20.1@1.853,49.53 R19.1@15.93,49.53 ; R10.2@27.016,3.612 v1(27.016,6.558) ; v1(36.856,55.148) R18.2@36.856,56.233 ; R23.2@37.356,33.22 37.356,36.078 37.752,36.474 v1(40.427,36.474) C27.1@41.957,36.474 C26.1@41.957,35.201 U6.10@41.957,33.72 U6.9@41.957,33.22 ; J7.12@45.416,31.259 47.303,31.259 v1(47.803,31.759) ; J7.33@45.416,41.759 v1(47.35,41.759) ; v1(46.536,55.143) R17.2@46.536,56.228 ; v1(56.464,33.572) 56.464,29.109 56.965,28.608 J8.6@61.78,28.608 ; v1(80.543,59.826) 81.879,59.826 83.363,58.342 83.363,49.834 83.148,49.619 R27.2@83.148,49.53
  Top Layer w0.381: R19.1@15.939,49.538 16.748,49.538 18.982,47.304 25.375,47.304 26.035,46.644 D3.2@26.035,44.194 ; R21.1@21.692,50.224 v1(29.413,50.224) ; R22.1@21.692,52.231 22.86,52.231 ; C23.2@21.692,54.97 22.92,54.97 23.236,54.654 23.236,52.607 22.86,52.231 ; v1(29.413,52.231) 22.86,52.231 ; J3.1@30.658,14.178 30.658,29.947 30.709,29.997 ; R16.1@35.296,20.909 v1(35.296,22.103) ; v1(37.752,47.473) R24.2@40.361,47.473 R25.2@41.732,47.473 R26.2@43.116,47.473 ; v1(39.603,22.103) 39.609,22.098 39.609,20.915 R30.1@39.614,20.909 ; v1(63.983,5.944) R15.1@63.983,6.878 ; C31.2@63.983,13.749 65.704,13.749 66.226,13.228 J4.4@69.848,13.228
  Top Layer w0.508: U5.6@75.612,59.826 C25.2@78.003,59.826 ; U5.8@75.612,62.026 77.559,62.026 78.003,61.581 C25.2@78.003,59.826 ; v1(80.543,59.826) C24.2@79.477,59.826 C25.2@78.003,59.826
  Bottom Layer w0.254: v1(27.016,6.558) 28.587,6.558 29.489,7.461 29.489,13.01 J3.1@30.658,14.178
  other v1: 56.159,3.618 57.126,3.612 63.983,10.278 64.846,12.446 46.761,28.499 29.413,40.716 29.413,41.91 29.413,43.104 29.413,44.298
+5V: C7.1 C9.2 FB1.2 U2.1
+12V: C5.2 C6.2 C8.2 C16.1 C18.1 C21.1 C22.1 R1.2 SW1.2 U1.3 U4.14 U4.15 U4.26 U4.27 U4.28 | length 31.3
  Top Layer w0.254: v1(17.841,32.182) R1.2@17.841,33.152
  Bottom Layer w0.254: SW1.2@10.95,40.34 11.376,40.34 12.968,41.932 24.091,41.932 25.044,40.978 25.044,33.579 23.647,32.182 v1(17.841,32.182)
  other v1: 10.744,57.19 24.232,57.19 10.744,58.09 24.232,58.09
Backlight: R28.1 U3.17 | length 36.6
  Top Layer w0.305: v1(38.76,38.252) R28.1@38.76,39.235
  Top Layer w0.381: U3.17@46.98,19.111 46.98,21.172 47.566,21.758 50.714,21.758 51.546,22.59 v1(51.546,38.252)
  Bottom Layer w0.381: v1(38.76,38.252) v1(51.546,38.252)
BCLK: U3.34 U4.6 | length 67.8
  Top Layer w0.203: U4.6@17.939,53.57 17.939,50.653 19.667,48.925 32.37,48.925 34.242,47.053 34.242,26.715 35.062,25.895 v1(35.062,24.937)
  Top Layer w0.254: U3.34@33.79,8.971 39.248,8.971 39.939,9.662 v1(39.939,14.046)
  Bottom Layer w0.203: v1(35.062,24.937) 34.004,23.879 34.004,20.72 39.939,14.785 v1(39.939,14.046)
CD_DET: D9.1 J4.cd J9.2 R15.2 U3.4 | length 25.8
  Top Layer w0.254: U3.4@51.29,5.161 56.202,5.161 56.716,5.676 56.716,7.618 J9.2@58.064,8.966 59.401,7.629 59.401,5.62 59.86,5.161 65.08,5.161 65.507,5.588 R15.2@65.507,6.878 D9.1@67.444,6.878 68.548,6.878 69.398,7.728 J4.cd@69.848,7.728
CS: D5.1 J4.2 J9.3 R11.2 U3.5 | length 36.8
  Top Layer w0.254: U3.5@51.29,6.431 51.295,6.426 52.527,6.426 53.802,7.701 55.716,7.701 56.27,8.255 56.27,9.936 57.84,11.506 58.336,11.506 60.221,9.621 v1(60.221,6.431) ; R11.2@65.507,16.628 v1(66.475,16.628) D5.1@67.444,16.628 67.499,16.628 67.647,16.48 67.647,16.425 68.427,15.645 69.631,15.645 J4.2@69.848,15.428
  Bottom Layer w0.254: v1(60.221,6.431) 60.221,15.82 61.029,16.628 v1(66.475,16.628)
DC: J7.10 U3.8 | length 24.8
  Top Layer w0.254: J7.10@45.416,30.259 47.453,30.259 47.803,29.909 v1(47.803,26.338) ; v1(47.8,13.797) 47.8,11.78 49.339,10.241 U3.8@51.29,10.241
  Bottom Layer w0.254: v1(47.8,13.797) v1@47.8,26.338
EN: J3.2 R9.1 SW2.2 U3.3 | length 41.4
  Top Layer w0.254: U3.3@51.29,3.891 v1(52.756,3.891) 53.436,4.572 59.313,4.572 59.588,4.297 59.588,1.75 59.86,1.478 SW2.2@60.526,1.478
  Bottom Layer w0.254: J3.2@30.658,11.638 46.855,11.638 47.499,10.995 47.499,4.551 48.158,3.891 v1(52.756,3.891)
FAULTZ: LED1.2 R19.2 U4.2 | length 17
  Top Layer w0.203: LED1.2@2.413,51.105 2.413,50.855 2.968,50.3 15.122,50.3 15.596,50.774 15.596,50.783 15.875,51.062 R19.2@15.939,51.062 15.939,51.836 16.339,52.236 U4.2@16.339,53.57
FB: D4.2 L2.2 U2.3 | length 11.7
  Top Layer w0.381: U2.3@13.8,17.213 22.432,17.213 23.089,17.87 L2.2@23.089,20.041
GND: C2.2 C3.1 C4.1 C5.1 C6.1 C7.2 C8.1 C9.1 C10.2 C11.1 C12.1 C13.1 C14.2 C16.2 C18.2 C21.2 C22.2 C23.1 C24.1 C25.1 C26.2 C27.2 C28.1 C29.1 C30.1 C31.1 C32.2 D1.2 D2.2 D5.2 D6.2 D7.2 D8.2 D9.2 J1.2 J1.3 J2.A1/B12 J2.B1/A12 J3.6 J6.1 J6.2 J6.3 J7.5 J7.16 J7.17 J7.18 J7.19 J7.20 J7.21 J7.22 J7.23 J7.24 J7.25 J7.26 J7.27 J7.28 J7.29 J7.30 J7.31 J7.32 J7.37 J8.1 J9.6 J10.6 LED2.2 Q1.2 R3.1 R6.1 R7.1 R8.1 R29.1 R31.2 SW2.1 SW3.1 SW4.2 SW5.2 U1.1 U2.4 U2.5 U2.6 U2.7 U2.8 U3.1 U3.40 U3.41 U4.10 U4.12 U4.13 U4.19 U4.20 U4.21 U4.22 U4.29 U4.33 U5.1 U5.10 U5.12 U6.3 U6.5 U6.6 U6.7 U6.8 | length 38.6
  Top Layer w0.254: v1(9.184,9.591) 10.083,9.591 10.434,9.24 R6.1@10.434,8.627 ; R7.1@13.784,8.627 13.784,9.002 14.054,9.271 v1(14.884,9.271) ; v1(14.034,34.549) R3.1@14.961,34.549 ; SW5.2@35.368,62.684 36.856,61.196 C29.1@36.856,57.579 ; v1(38.88,32.097) 39.369,32.097 39.991,32.72 U6.3@40.427,32.72 ; U6.5@40.935,32.212 41.95,32.212 U6.7@41.957,32.22 ; v1(41.957,31.409) U6.7@41.957,32.22 ; U6.8@41.957,32.72 U6.7@41.957,32.22 ; J6.3@59.914,64.426 60.187,64.153 60.888,64.153 60.936,64.105 v1(62.189,64.105) ; v1(61.29,24.206) 61.78,24.696 J8.1@61.78,26.108 ; v1(66.475,8.204) 67.355,8.204 67.556,8.003 ; v1(66.482,11.913) 66.499,11.896 67.426,11.896 D7.2@67.444,11.878 ; v1@66.482,14.242 67.408,14.242 D6.2@67.444,14.277 ; D5.2@67.444,17.478 v1(67.444,18.339)
  Top Layer w0.381: v1(11.55,13.259) C9.1@12.332,13.259 ; Q1.2@42.301,40.759 v1(43.481,40.759) ; C26.2@43.481,35.201 v1(43.481,37.409) ; v1(61.62,13.749) C31.1@62.459,13.749 C30.1@62.459,12.454 ; U5.12@65.989,60.926 v1(67.869,60.926) ; U5.10@65.989,63.126 v1(67.869,63.126) ; C32.2@72.04,3.898 C32.2@72.071,3.867 ; C32.2@72.08,3.835 72.08,3.858 C32.2@72.071,3.867 ; v1(73.228,3.899) 73.196,3.867 C32.2@72.071,3.867 ; v1(73.732,54.326) U5.1@75.612,54.326 ; C25.1@78.003,58.302 C24.1@79.477,58.302 v1(80.543,58.302)
  other v1: 49.479,1.097 56.159,1.097 6.884,2.54 8.534,2.54 6.884,3.835 8.534,3.835 7.709,6.979 8.712,6.979 15.357,6.979 17.629,6.979 41.649,7.402 46.431,7.402 41.649,10.541 46.431,10.541 66.475,14.248 9.881,14.673 2.261,17.602 5.207,17.602 15.951,18.174 18.898,18.174 9.881,18.483 12.319,18.483 2.261,19.66 5.207,19.66 15.951,20.231 18.898,20.231 26.924,22.391 29.87,22.391 26.924,24.448 29.87,24.448 46.761,27.1 14.554,28.809 17.501,28.809 14.554,30.866 17.501,30.866 14.034,36.53 15.57,36.53 47.35,37.409 18.796,37.49 20.472,37.49 20.472,38.542 54.61,39.218 64.897,39.218 75.184,39.218 20.472,39.594 14.034,44.15 15.57,44.15 14.034,45.394 15.57,45.394 54.61,46.711 64.897,46.711 75.184,46.711 20.538,53.446 10.744,54.57 16.383,54.625 18.294,54.625 10.744,55.47 17.339,55.57 16.383,56.515 18.294,56.515 21.692,58.776 17.339,59.191 59.914,60.122 17.339,60.253 7.442,60.824 10.389,60.824 24.587,60.824 27.534,60.824 64.287,60.926 17.339,61.316 57.649,61.486 62.078,61.486 7.442,62.882 10.389,62.882 24.587,62.882 27.534,62.882 64.287,63.126 57.649,64.051
INT: J8.3 U3.28 | length 37.9
  Top Layer w0.254: U3.28@33.79,16.591 v1(49.07,16.591) ; v1(55.289,27.108) J8.3@61.78,27.108
  Bottom Layer w0.254: v1(49.07,16.591) 49.07,26.113 50.065,27.108 v1(55.289,27.108)